# Altium PCB H7Screen.PcbDoc
Units mil, origin at the board's own origin, x right, y up, seen from the top; angles counter-clockwise.
Board outline 2734.03 x 1978.03 mil, 2 copper layers (Top Layer, Bottom Layer); 72 components, 112 nets, 362 pads, 91 vias.
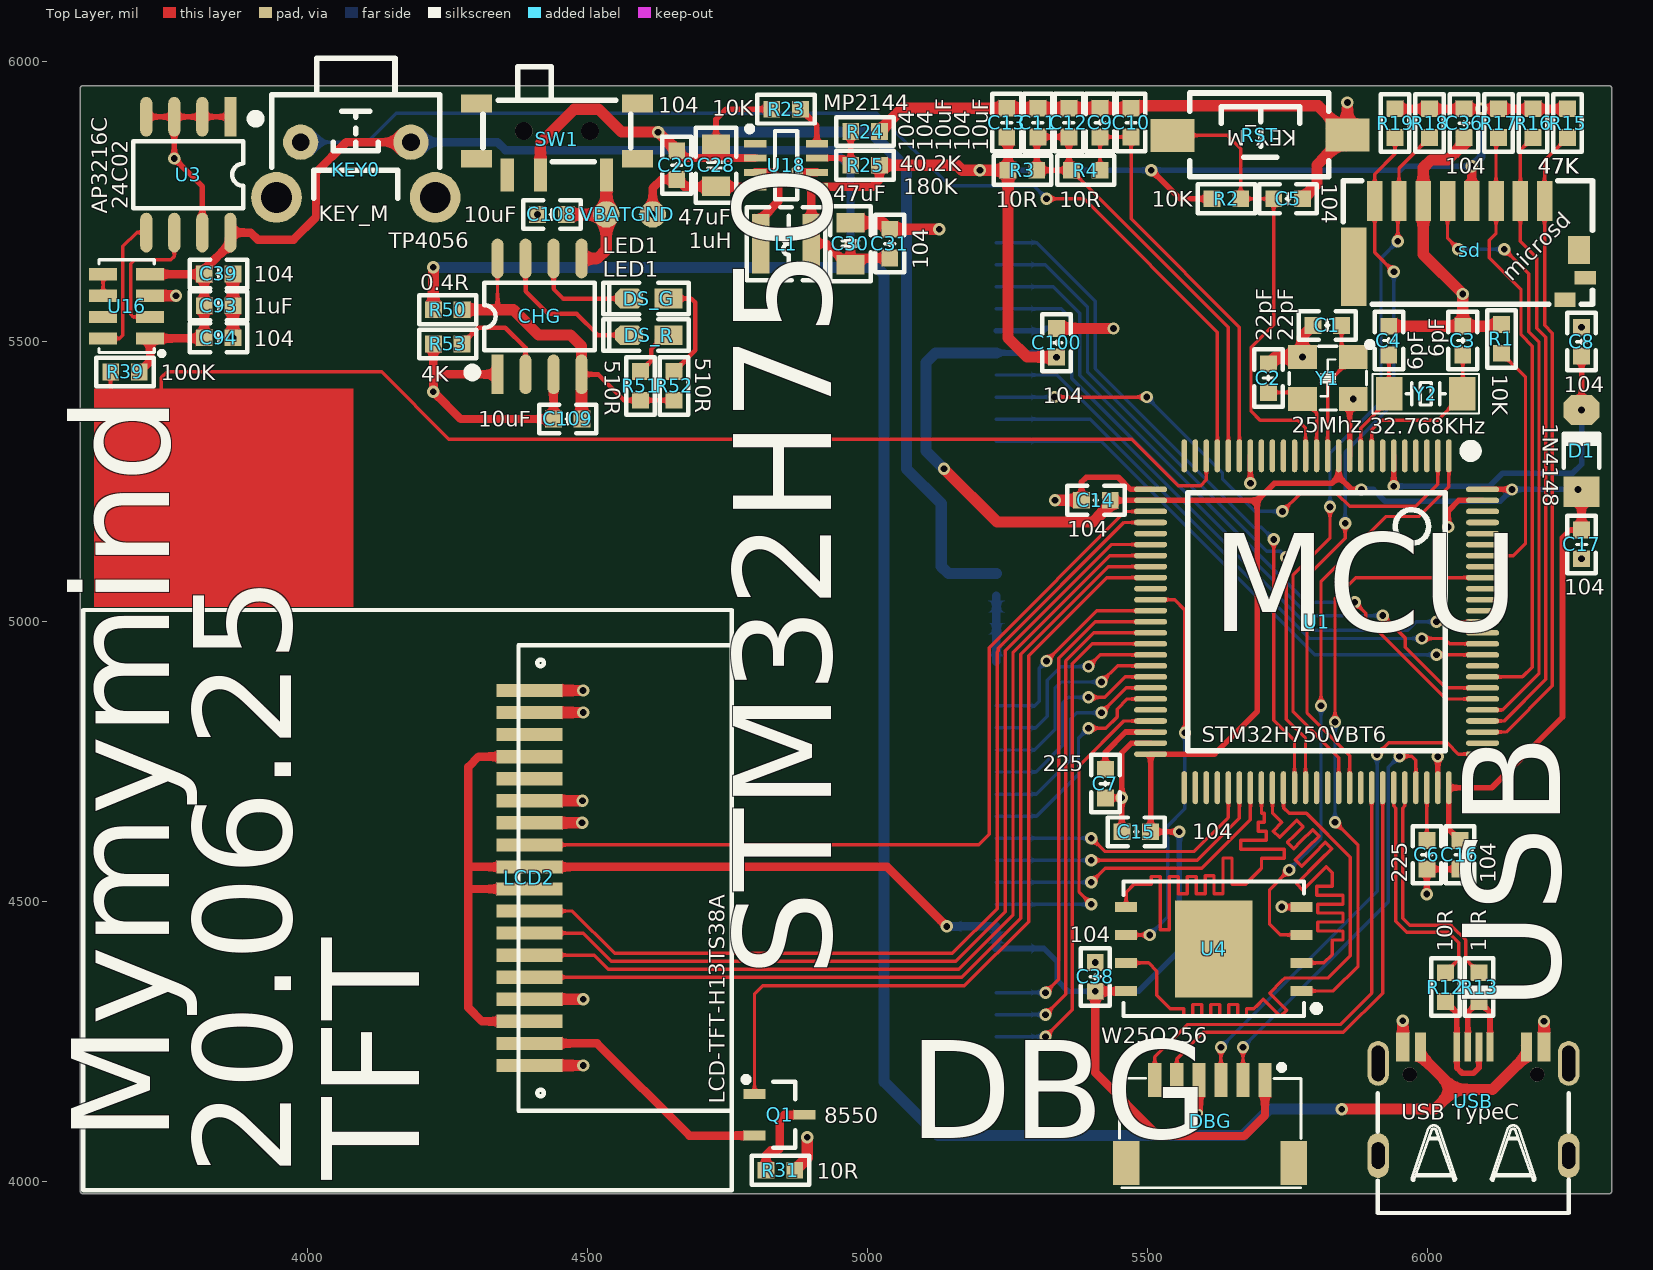
[diagram p0: Top Layer view]
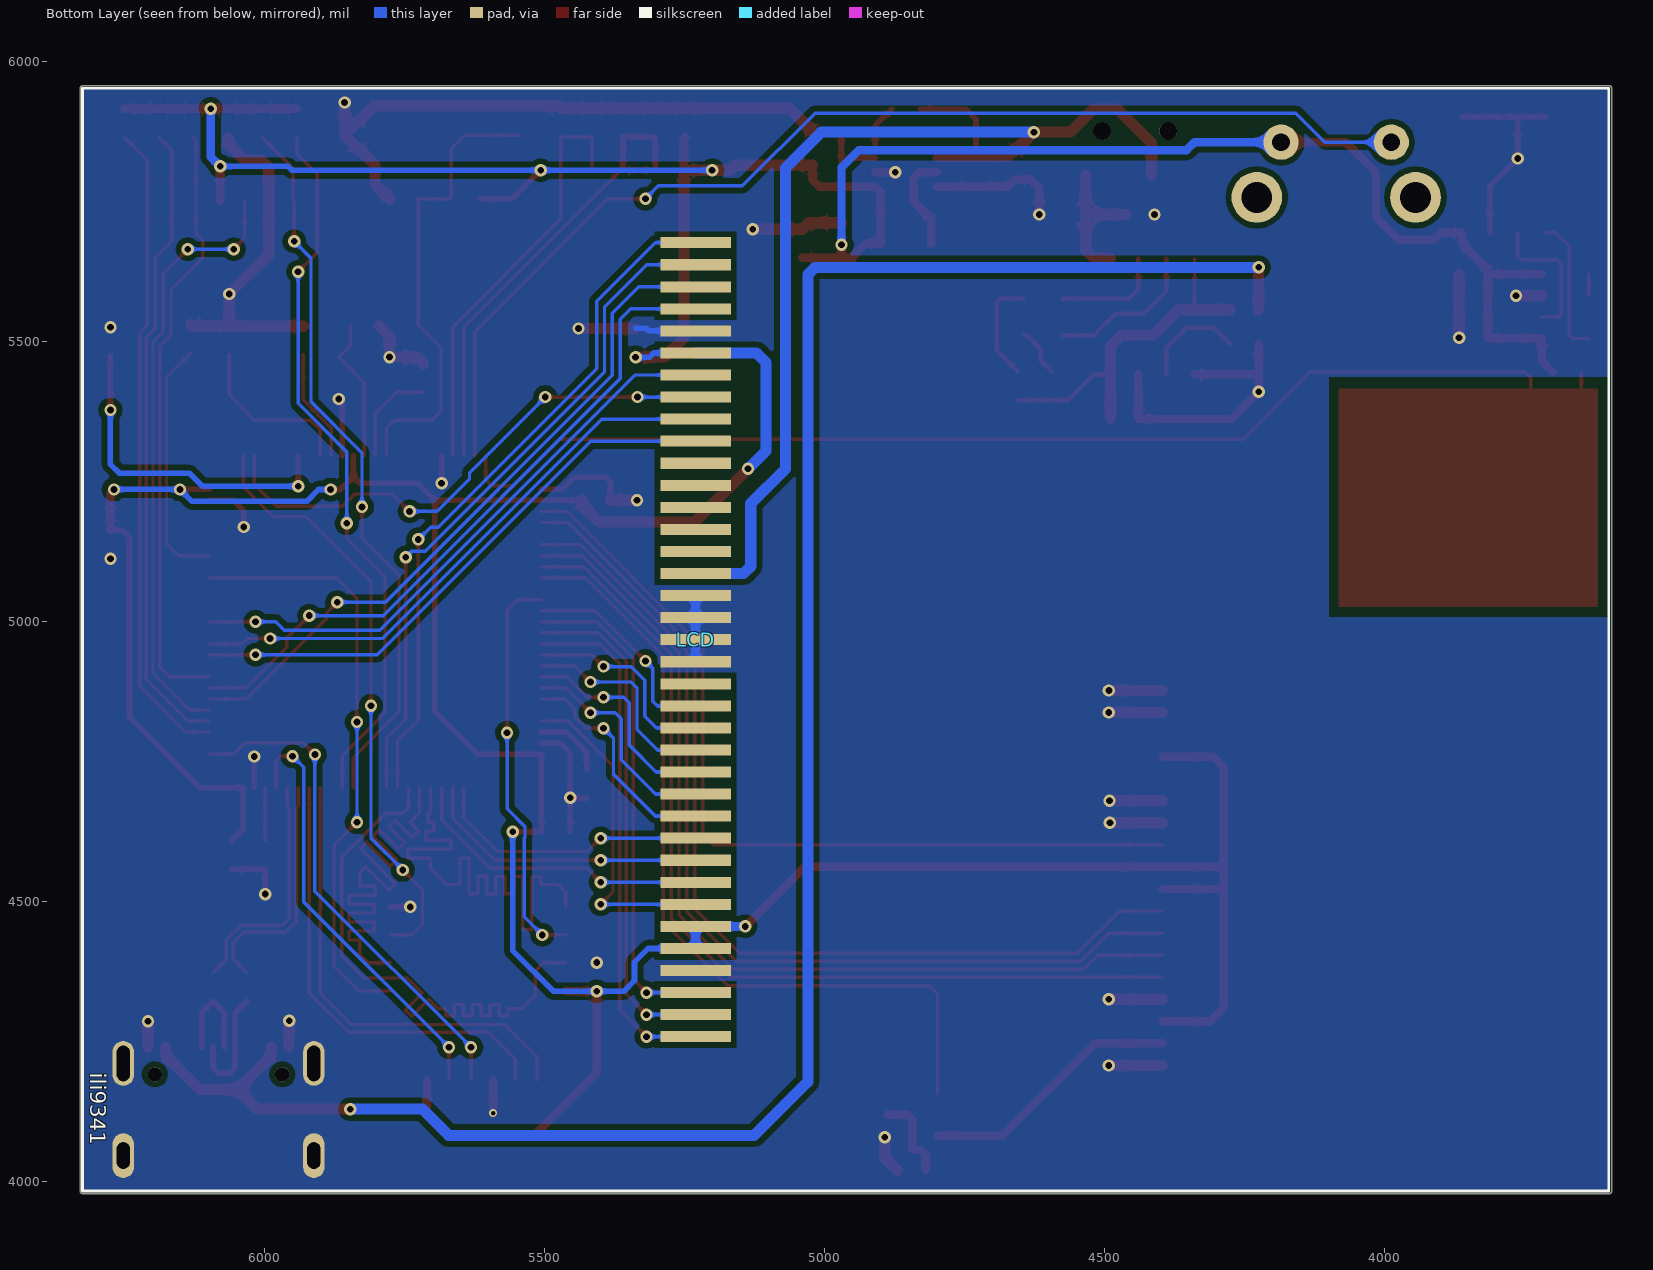
[diagram p1: Bottom Layer view, seen from below]
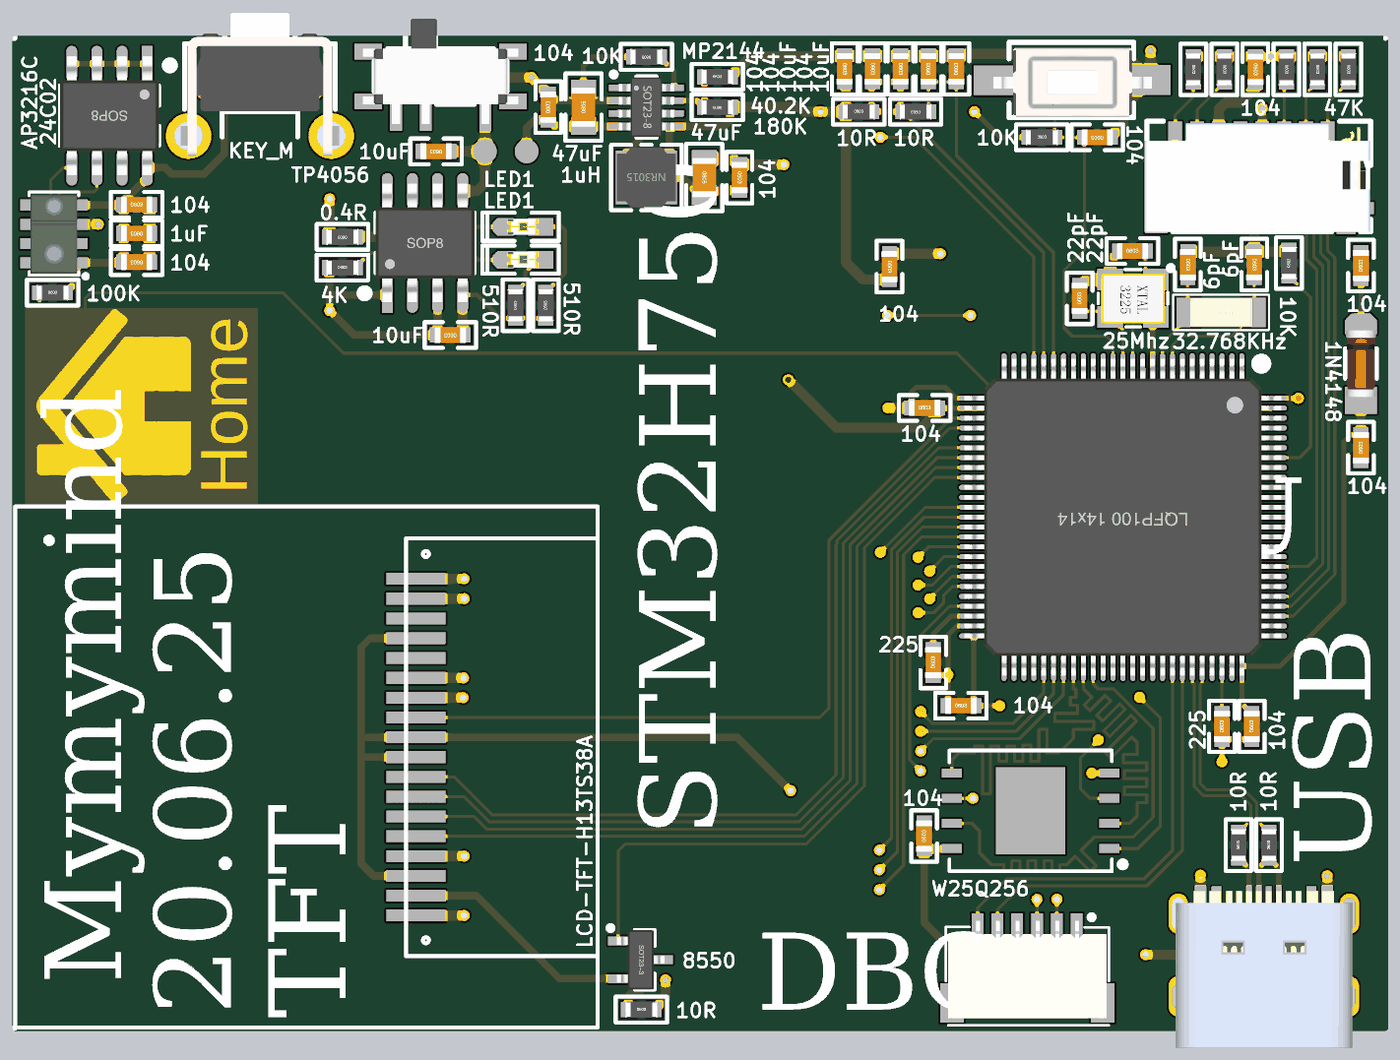
[diagram p2: 3D render of the assembled board from above, using the file's embedded part models]

## Layer stack, top to bottom
Top Solder: solder mask 0.4, Solder Resist, Dk 3.5
Top Layer: signal copper 1.4
Dielectric1: core 12.6, FR-4, Dk 4.8
Bottom Layer: signal copper 1.4
Bottom Solder: solder mask 0.4, Solder Resist, Dk 3.5

## Board outline
3600,3978.99 cw(c3600,3984) 3594.99,3984 3594.99,5952 cw(c3600,5952) 3600,5957.02 6324,5957.02 cw(c6324,5952) 6329.02,5952 6329.02,3984 cw(c6324,3984) 6324,3978.99

## Design rules (kind name [scope] priority, off if disabled: settings)
Clearance [All] p1: gap=6 except(10: Arc-Poly Track-Poly SMDPad-Poly THPad-Poly Via-Poly Fill-Poly Poly-Poly)
ComponentClearance [All] p1 off: gap=10 collisioncheckmode=3 verticalgap=10 showdistances=FALSE
DiffPairsRouting [All] p1: maxlimit=6 minlimit=6 mostfreqgap=6 toplayer_minwidth=6 toplayer_maxwidth=6 toplayer_prefwidth=6 bottomlayer_minwidth=6 bottomlayer_maxwidth=6 bottomlayer_prefwidth=6 maxuncoupledlength=500
FabricationTestPointUsage TestPointUsage [All] p1: valid=0 allowmultiple=FALSE
FabricationTestpoint Testpoint [(IsPad And (OnTopLayer Or OnBottomLayer))] p1: side=3 testpointundercomponent=TRUE minsize=40 maxsize=100 preferedsize=60 minholesize=0 maxholesize=40 preferedholesize=32 testpointgrid=1 allowsidetop=TRUE allowsidebottom=TRUE usegrid=TRUE gridtolerance=0.01
HoleToHoleClearance [All] p1: gap=6 allowstackedmicrovias=TRUE
MinimumSolderMaskSliver [All] p1: minsoldermaskwidth=0
PlaneConnect [All] p1: planeconnectstyle=Direct reliefexpansion=20 reliefentries=4 reliefconductorwidth=10 reliefairgap=10
PolygonConnect [All] p1: connectstyle=Direct reliefconductorwidth=10 reliefentries=4 polygonreliefangle="90 Angle" airgapwidth=10
RoomDefinition H7Screen [InComponentClass('H7Screen')] p1: confinementstyle=ConfineIn formatcopy=TRUE lockcomponents=FALSE outline 0,0 2000,0 2000,1000 0,1000
RoomDefinition CORE_PIN_DEF [InComponentClass('CORE_PIN_DEF')] p2: confinementstyle=ConfineIn formatcopy=TRUE lockcomponents=FALSE outline 0,0 2000,0 2000,1000 0,1000
RoomDefinition CORE_PIN_ABC [InComponentClass('CORE_PIN_ABC')] p3: confinementstyle=ConfineIn formatcopy=TRUE lockcomponents=FALSE outline 0,0 2000,0 2000,1000 0,1000
RoutingVias [All] p1: holewidth=8 width=14 viastyle="Through Hole" minholewidth=8 minwidth=14 maxholewidth=200 maxwidth=206
SilkToSilkClearance [All] p1: silktosilkclearance=0
SilkToSolderMaskClearance SilkscreenOverComponentPads [IsPad] p1: minsilkscreentomaskgap=0 clearancetoexposedcopper=TRUE
SolderMaskExpansion [All] p1: expansion=4
Width [All] p1: maxlimit=50 minlimit=6 preferedwidth=6 minimp=50.000000 maximp=50.000000 favimp=50.000000
21 further rules are at their usual default settings.

## Classes and differential pairs
net class "New Class": PD11 PD12 PD13 PE2
component class CORE_PIN_ABC: U1
component class H7Screen: C28 C29 C30 C31 C36 C38 C39 C93 C94 C100 C108 C109 CHG DBG DS_G DS_R GND KEY0 L1 LCD LCD2 Q1 R15 R16 R17 R18 R19 R23 R24 R25 R31 R38 R39 R50 R51 R52 R53 sd SW1 U3 U4 U16 U18 VBAT
component class CORE_PIN_DEF: C1 C2 C3 C4 C5 C6 C7 C8 C9 C10 C11 C12 C13 C14 C15 C16 C17 D1 R1 R2 R3 R4 R12 R13 RST USB Y1 Y2

## Components (designator, comment, footprint, x,y, rotation, side; value= is the part's Value field where it differs from the comment)
C1 "22pF" "C 0603_L" 5821,5529 r0 top
C2 "22pF" "C 0603_L" 5716,5435 r90 top
C3 "6pF" "C 0603_L" 6063,5502 r270 top
C4 "6pF" "C 0603_L" 5931,5502 r270 top
C5 "104" "C 0603_L" 5751,5755 r180 top
C6 "225" "C 0603_L" 5998.84,4584 r90 top
C7 "225" "C 0603_L" 5425,4711 r90 top
C8 "104" "C 0603_L" 6275,5500 r90 top
C9 "104" "C 0603_L" 5415.5,5891 r90 top
C10 "10uF" "C 0603_L" 5471,5891 r90 top
C11 "104" "C 0603_L" 5304.5,5890.99 r270 top
C12 "10uF" "C 0603_L" 5360,5890.99 r270 top
C13 "104" "C 0603_L" 5249,5890.99 r270 top
C14 "104" "C 0603_L" 5408,5217 r0 top
C15 "104" "C 0603_L" 5480,4625 r0 top
C16 "104" "C 0603_L" 6058,4584 r90 top
C17 "104" "C 0603_L" 6275,5138 r90 top
C28 "47uF" "C 0805_L" 4730,5815 r90 top
C29 "104" "C 0603_L" 4660,5815 r90 top
C30 "47uF" "C 0805_L" 4970,5675 r270 top
C31 "104" "C 0603_L" 5040,5675 r270 top
C36 "104" "C 0603_L" 6065.2,5890 r270 top
C38 "104" "C 0603_L" 5407,4366 r90 top
C39 "104" "C 0603_L" 3842,5621 r0 top
C93 "1uF" "C 0603_L" 3842,5564 r180 top
C94 "104" "C 0603_L" 3842,5507 r180 top
C100 "104" "C 0603_L" 5338,5498 r270 top
C108 "10uF" "C 0603_L" 4437,5727 r180 top
C109 "10uF" "C 0603_L" 4465.41,5362 r180 top
CHG "TP4056" SOP8_N 4415,5545 r90 top
D1 "1N4148" "MINI_MELF (LL34)" 6275,5305 r90 top
DBG "SH1.0" "SH1.0 S-W-6P" 5612,4101 r0 top
DS_G "LED1" "LED 0603G" 4610,5577.26 r180 top
DS_R "LED1" "LED 0603R" 4610,5512 r180 top
GND "TP7" TP-1.5#1 4627.7,5727 r180 top
KEY0 "KEY_M" "TSW DIP-3*6*5_V" 4087,5856 r180 top
L1 "1uH" NR3015 4855,5675 r180 top
LCD "ili9341" ILI9341 6325,4968 r180 bottom locked
LCD2 "LCD-TFT-H13TS38A" TFT-H13TS43B 4397,4208 r90 top
Q1 "8550" SOT23-3L 4843.71,4120 r270 top
R1 "10K" "R 0603_L" 6132,5505 r90 top
R2 "10K" "R 0603_L" 5641,5755 r0 top
R3 "10R" "R 0603_L" 5277,5806 r0 top
R4 "10R" "R 0603_L" 5390,5806 r180 top
R12 "10R" "R 0603_L" 6032,4348 r90 top
R13 "10R" "R 0603_L" 6092,4348 r90 top
R15 "47K" "R 0603_L" 6250,5890 r270 top
R16 "47K" "R 0603_L" 6188.4,5890 r270 top
R17 "47K" "R 0603_L" 6126.8,5890 r270 top
R18 "47K" "R 0603_L" 6003.6,5890 r270 top
R19 "47K" "R 0603_L" 5942,5890 r270 top
R23 "10K" "R 0603_L" 4855,5915 r180 top
R24 "40.2K" "R 0603_L" 4996,5875 r0 top
R25 "180K" "R 0603_L" 4996,5815 r180 top
R31 "10R" "R 0603_L" 4845,4021 r0 top
R39 "100K" "R 0603_L" 3675,5446 r0 top
R50 "0.4R" "R 0603_L" 4251,5557 r180 top
R51 "510R" "R 0603_L" 4595,5421 r90 top
R52 "510R" "R 0603_L" 4655,5421 r90 top
R53 "4K" "R 0603_L" 4251,5496 r0 top
RST "KEY_M" "TSW SMD-3*6*2.5" 5702,5869 r0 top
sd "microsd" microsd3 6065.48,5676 r180 top
SW1 "SWITCH" SWITCH 4446,5876 r180 top
U1 "STM32H750VBT6" "LQFP100 14x14_L" 5802,5000 r180 top locked
U3 "24C02" SOP8_N 3788,5798 r270 top
U4 "W25Q256" WSON8 5618.5,4416 r180 top
U16 "AP3216C" AP3216 3678,5563 r90 top
U18 "MP2144" SOT23-8L 4855,5815 r270 top
USB "USB TypeC" "USB Type-C" 6082,4144 r0 top
VBAT "TP6" TP-1.5#2 4534,5727 r180 top
Y1 "25Mhz" OSC32254Pmini 5822,5435 r180 top
Y2 "32.768KHz" "OSC 3215-2P" 5997,5407 r0 top

## Footprints (in the part's own frame and the unit in brackets; to place one, negate y for a bottom-side part, rotate by r counter-clockwise, add the part's x,y. Pads: shape width x height; smd on the part's side, far side on the other; paste and mask are expansions set on the pad)
AP3216 [mil]
  rect 22x50 smd: 1(-57.28,-42) 2(-19.09,-42) 3(19.09,-42) 4(57.28,-42) 5(57.28,42) 6(19.09,42) 7(-19.09,42) 8(-57.28,42)
  silkscreen extent -88,-66 83,50, body extent -78,-46 78,46, height 53
"C 0603_L" [mil] "无极性贴片电容"
  rect 30x30 smd: 1(-25.59,0) 2(25.59,0)
  silkscreen extent -51,-26 51,26, body extent -31,-16 31,16, height 32
"C 0805_L" [mil] "无极性贴片电容"
  rect 35x50 smd: 1(-37.4,0) 2(37.4,0)
  silkscreen extent -67,-36 67,36, body extent -39,-24 39,24, height 20
ILI9341 [mm] "ili9341_2.8"
  rect 3.2x0.5 smd: 1(27.8,18) 2(27.8,17) 3(27.8,16) 4(27.8,15) 5(27.8,14) 6(27.8,13) 7(27.8,12) 8(27.8,11) 9(27.8,10) 10(27.8,9) 11(27.8,8) 12(27.8,7) 13(27.8,6) 14(27.8,5) 15(27.8,4) 16(27.8,3) 17(27.8,2) 18(27.8,1) 19(27.8,0) 20(27.8,-1) 21(27.8,-2) 22(27.8,-3) 23(27.8,-4) 24(27.8,-5) 25(27.8,-6) 26(27.8,-7) 27(27.8,-8) 28(27.8,-9) 29(27.8,-10) 30(27.8,-11) 31(27.8,-12) 32(27.8,-13) 33(27.8,-14) 34(27.8,-15) 35(27.8,-16) 36(27.8,-17) 37(27.8,-18)
  silkscreen extent 0,-25 69.2,25, body extent 3.81,-21.46 64.56,21.46, height 4.16
"LED 0603G" [mil] "绿色0603LED"
  rect 50x35 smd: 1(-35,0.26)
  oct 50x35 smd: 2(35,0.26)
  silkscreen extent -71,-28 81,28, body extent -31,-16 32,16, height 18
"LED 0603R" [mil] "红色0603LED"
  rect 50x35 smd: 1(-35,0.26)
  oct 50x35 smd: 2(35,0.26)
  silkscreen extent -71,-28 81,28, body extent -31,-16 31,16, height 18
"LQFP100 14x14_L" [mm] "100脚，体宽14x14mm，脚距0.5mm"
  oval 0.25x1.5 smd: 1(-6,-7.525) 2(-5.5,-7.525) 3(-5,-7.525) 4(-4.5,-7.525) 5(-4,-7.525) 6(-3.5,-7.525) 7(-3,-7.525) 8(-2.5,-7.525) 9(-2,-7.525) 10(-1.5,-7.525) 11(-1,-7.525) 12(-0.5,-7.525) 13(0,-7.525) 14(0.5,-7.525) 15(1,-7.525) 16(1.5,-7.525) 17(2,-7.525) 18(2.5,-7.525) 19(3,-7.525) 20(3.5,-7.525) 21(4,-7.525) 22(4.5,-7.525) 23(5,-7.525) 24(5.5,-7.525) 25(6,-7.525) 51(6,7.525) 52(5.5,7.525) 53(5,7.525) 54(4.5,7.525) 55(4,7.525) 56(3.5,7.525) 57(3,7.525) 58(2.5,7.525) 59(2,7.525) 60(1.5,7.525) 61(1,7.525) 62(0.5,7.525) 63(0,7.525) 64(-0.5,7.525) 65(-1,7.525) 66(-1.5,7.525) 67(-2,7.525) 68(-2.5,7.525) 69(-3,7.525) 70(-3.5,7.525) 71(-4,7.525) 72(-4.5,7.525) 73(-5,7.525) 74(-5.5,7.525) 75(-6,7.525)
  oval 1.5x0.25 smd: 26(7.525,-6) 27(7.525,-5.5) 28(7.525,-5) 29(7.525,-4.5) 30(7.525,-4) 31(7.525,-3.5) 32(7.525,-3) 33(7.525,-2.5) 34(7.525,-2) 35(7.525,-1.5) 36(7.525,-1) 37(7.525,-0.5) 38(7.525,0) 39(7.525,0.5) 40(7.525,1) 41(7.525,1.5) 42(7.525,2) 43(7.525,2.5) 44(7.525,3) 45(7.525,3.5) 46(7.525,4) 47(7.525,4.5) 48(7.525,5) 49(7.525,5.5) 50(7.525,6) 76(-7.525,6) 77(-7.525,5.5) 78(-7.525,5) 79(-7.525,4.5) 80(-7.525,4) 81(-7.525,3.5) 82(-7.525,3) 83(-7.525,2.5) 84(-7.525,2) 85(-7.525,1.5) 86(-7.525,1) 87(-7.525,0.5) 88(-7.525,0) 89(-7.525,-0.5) 90(-7.525,-1) 91(-7.525,-1.5) 92(-7.525,-2) 93(-7.525,-2.5) 94(-7.525,-3) 95(-7.525,-3.5) 96(-7.525,-4) 97(-7.525,-4.5) 98(-7.525,-5) 99(-7.525,-5.5) 100(-7.525,-6)
  silkscreen extent -7.23,-8 5.84,5.84, body extent -8,-8 8,8, height 1.45
microsd3 [mm]
  rect 0.7x1.8 smd: 1(-3.645,-1.905) 2(-2.545,-1.905) 3(-1.445,-1.905) 4(-0.345,-1.905) 5(0.755,-1.905) 6(1.855,-1.905) 7(2.955,-1.905) 8(4.055,-1.905)
  rect 0.965x0.66 smd: 9(-4.572,2.565)
  rect 0.965x0.61 smd: 10(-5.486,1.575)
  rect 1.016x1.27 smd: 10(-5.207,0.305)
  rect 1.143x3.556 smd: 10(5.004,1.067)
  silkscreen extent -5.82,-2.82 5.49,2.77, body extent -5.79,-2.72 5.61,2.78, height 2.67
"MINI_MELF (LL34)" [mm] "1.5*3.4mm(直径，脚距）"
  rect 1.37x1.62 smd: 1(-1.855,0)
  oct 1.37x1.62 smd: 2(1.855,0)
  silkscreen extent -0.76,-0.8 0.78,0.8, body extent -1.7,-0.75 1.7,0.75, height 1.5
NR3015 [mm] "3.0mm*3.0mm*1.5mm(长*宽*高）"
  rect 0.8x2.7 smd: 1(-1.15,0) 2(1.15,0)
  silkscreen extent -1.78,-1.65 1.78,1.65, body extent -1.5,-1.5 1.5,1.5, height 1.6
OSC32254Pmini [mm]
  rect 1.3x1.1 smd: 1(-1.15,-0.95) 2(1.15,-0.95) 3(1.15,0.95) 4(-1.15,0.95)
  silkscreen extent -2.03,-1.65 1.75,1.45, body extent -1.6,-1.24 1.6,1.26, height 0.8
"OSC 3215-2P" [mm] "3.2*1.5*0.6mm(长宽高)"
  rect 1.2x1.5 smd: 1(-1.65,0) 2(1.65,0)
  silkscreen extent -2.41,-0.89 2.41,0.89, body extent -1.6,-0.75 1.6,0.75, height 0.61
"R 0603_L" [mil] "1/10W贴片电阻"
  rect 30x30 smd: 1(-25.59,0) 2(25.59,0)
  silkscreen extent -51,-26 51,26, body extent -31,-16 31,16, height 16
"SH1.0 S-W-6P" [mm]
  rect 1.2x2 smd: 0(-3.8,-1.7) 0(3.8,-1.7)
  rect 0.6x1.55 smd: 1(2.489,2.057) 2(1.489,2.057) 3(0.489,2.057) 4(-0.511,2.057) 5(-1.511,2.057) 6(-2.511,2.057)
  silkscreen extent -4.11,-2.83 4.11,2.76, body extent -3.99,-2.48 4.01,2.47, height 2.9
SOP8_N [mm] "5*6*1.8mm（长宽高）"
  rect 1.8x0.55 smd: 1(-2.625,1.905)
  oval 1.8x0.55 smd: 2(-2.625,0.635) 3(-2.625,-0.635) 4(-2.625,-1.905) 5(2.625,-1.905) 6(2.625,-0.635) 7(2.625,0.635) 8(2.625,1.905)
  silkscreen extent -2.69,-2.5 1.52,3.2, body extent -3,-2.5 3,2.5, height 1.9
SOT23-3L [mm] "3x1.3x1mm(长宽高)"
  rect 0.45x1 smd: 1(-0.95,-1.143) 2(0.95,-1.143) 3(0,1.125)
  silkscreen extent -1.72,-1.65 1.5,0.7, body extent -1.5,-1.2 1.5,1.2, height 1.05
SOT23-8L [mm] "3x1.6x1.1mm(长宽高)"
  rect 0.325x1 smd: 1(-0.975,-1.397) 2(-0.325,-1.397) 3(0.325,-1.397) 4(0.975,-1.397) 5(0.975,1.397) 6(0.325,1.397) 7(-0.325,1.397) 8(-0.975,1.397)
  silkscreen extent -1.77,-1.78 1.55,0.51, body extent -1.5,-1.4 1.5,1.4, height 1.15
SWITCH [mm]
  rect 0.6x1.5 smd: 1(-2.25,1.996) 2(0.75,1.996) 3(2.25,1.996)
  rect 1.4x0.8 smd: 4(-3.65,1.25) 5(-3.65,-1.25) 6(3.65,1.25) 7(3.65,-1.25)
  round 0.8 hole 0.8: " "(-1.5,0) " "(1.5,0)
  silkscreen extent -3.35,-2.92 3.35,1.4, body extent -3.92,-2.9 3.92,2.4, height 1.5
TFT-H13TS43B [mm]
  rect 0.6x3 smd: 1(0,0) 2(1,0) 3(2,0) 4(3,0) 5(4,0) 6(5,0) 7(6,0) 8(7,0) 9(8,0) 10(9,0) 11(10,0) 12(11,0) 13(12,0) 14(13,0) 15(14,0) 16(15,0) 17(16,0) 18(17,0)
  silkscreen extent -5.65,-9.17 20.65,20.23, body extent -5.67,-9.18 20.68,20.2, height 2.1
TP-1.5#1 [mm]
  round 1.2 smd: 1(0.272,0)
TP-1.5#2 [mm]
  round 1.2 smd: 1(0,0)
"TSW DIP-3*6*5_V" [mm] "侧按轻触开关 3*6*5mm"
  round 2.3 hole 1.4: 0(-3.6,2.5) 0(3.6,2.5)
  round 1.6 hole 0.8: 1(-2.5,0) 2(2.5,0)
  silkscreen extent -3.81,-3.81 3.81,2.54, body extent -4,-3.75 4,3.5, height 4.45
"TSW SMD-3*6*2.5" [mm] "3*6*2.5mm"
  rect 2x1.5 smd: 1(-3.996,-0.02) 2(3.937,0)
  silkscreen extent -3.21,-1.9 3.09,1.9, body extent -4,-1.88 4,1.62, height 2.59
"USB Type-C" [mm] "USB Type-C 12P/16P"
  rect 0.6x1.3 smd mask+0.064: 1(-3.2,2.462) 12(3.2,2.462)
  rect 0.508x1.3 smd mask+0.064: 2(-2.4,2.462) 11(2.4,2.462)
  rect 0.3x1.3 smd mask+0.064: 5(-0.75,2.462) 6(-0.25,2.463) 7(0.25,2.463) 8(0.75,2.462)
  oval 0.965x2.032 hole 0.6 slot 1.6 at 90 deg: SH1(-4.32,1.718) SH3(4.32,1.717)
  oval 0.965x2.032 hole 0.6 slot 1.2 at 90 deg: SH2(-4.32,-2.462) SH4(4.32,-2.462)
  round 0.65 hole 0.65 unplated mask+0: ""(-2.89,1.218) ""(2.89,1.218)
  silkscreen extent -4.34,-5.07 4.32,0.37, body extent -4.47,-5.04 4.47,2.86, height 3.2
WSON8 [mm]
  rect 1x0.45 smd: 1(-3.975,1.905) 2(-3.975,0.635) 3(-3.975,-0.635) 4(-3.975,-1.905) 5(3.975,-1.905) 6(3.975,-0.635) 7(3.975,0.635) 8(3.975,1.905)
  rect 3.5x4.4 smd: 9(0,0)
  silkscreen extent -4.8,-3.05 4.1,3.05

## Part data
C1 C2 C3 C4 C5 C6 C7 C8 C9 C10 C11 C12 C13 C14 C15 C16 C17 C28 C29 C30 C31 C36 C38 C39 C93 C94 C100: library part C
C108 C109: library part CAP
CHG: library part Component_1
D1: library part D
DBG: library part "Header 6", "6P接插件"
DS_G DS_R: library part LED2, "Typical RED, GREEN, YELLOW, AMBER GaAs LED"
GND VBAT: library part TEST-POINT, "测试点"
L1: library part L
LCD2: "LCD,TFT,1.3'240*240,禹龙"
Q1: library part 8550PNP
R1 R2 R3 R4 R12 R13 R15 R16 R17 R18 R19 R23 R24 R25 R31 R39 R50 R51 R52 R53: library part R
U1: library part STM32H750VB
U3: library part 24C256
U4: library part W25Q128, "W25Q128"
U16: "ALS+PS Sensor"
USB: library part "USB Type-C", "12P TypeC 母座"
Y1: library part XTAL_3225, "3225贴片无源晶振"
Y2: library part XTAL, "普通晶振"

## Via types
v1: diameter 22, hole 12, Top Layer to Bottom Layer, 90 vias
v2: diameter 14, hole 8, Top Layer to Bottom Layer, 1 vias

## Nets (pads, with @x,y where several pads share a name; then routed paths per layer and width w, separated by ;. In a path a pad name is that pad's centre, name@x,y a point inside that pad or via, vN(x,y) a via of type N, cw(c..) or ccw(c..) an arc to the next point about the centre after c; other vN are vias at no path point)
AP_INT: U16.7
BOOT0: R1.1 U1.94 | length 443
  Top Layer w6: U1.94 6153.11,5118.11 6175,5140 6175,5436.41 R1.1
CVBAT: C8.1 D1.2 U1.6 | length 599.3
  Top Layer w10: v1(5939.79,5241.79) U1.6 ; v1(6275,5378.03) C8.1
  Bottom Layer w10: v1(5939.79,5241.79) 6110.79,5241.79 6134,5265 6259,5265 6275,5281 v1(6275,5378.03)
FMC_A19: LCD.8 U1.2 | length 968.1
  Top Layer w6: v1(5334.07,5401.07) v1(5499.07,5401.07) ; v1(5741,5197) 5772,5228 5839,5228 5861,5206 5979,5206 6018.53,5245.53 U1.2
  Bottom Layer w6: LCD.8 v1(5334.07,5401.07) ; v1(5499.07,5401.07) 5634,5266.14 5634,5255 5692,5197 v1(5741,5197)
FMC_D0: LCD.1 U1.61 | length 1243.4
  Top Layer w6: v1(5725.62,5147) 5725.62,4824.38 5762.62,4787.38 U1.61
  Bottom Layer w6: LCD.1 5302.34,5676.66 5407,5572 5407,5452 5690,5169 5703.62,5169 v1(5725.62,5147)
FMC_D1: LCD.2 U1.62 | length 1227.1
  Top Layer w6: v1(5748,5115) 5748,4826 5782.31,4791.69 U1.62
  Bottom Layer w6: LCD.2 5317.71,5637.29 5393,5562 5393,5446.2 5713.2,5126 5737,5126 v1(5748,5115)
FMC_D2: LCD.3 U1.81 | length 1243.4
  Top Layer w6: v1(5870,5035) 5890,5015 5890,5005 6032.8,4862.2 U1.81
  Bottom Layer w6: LCD.3 5332.08,5597.92 5379,5551 5379,5440 5784,5035 v1(5870,5035)
FMC_D3: LCD.4 U1.82 | length 1219.5
  Top Layer w6: v1(5920,5011) 5960,4971 5960,4954.8 6032.91,4881.89 U1.82
  Bottom Layer w6: LCD.4 5346.45,5558.55 5365,5540 5365,5434.2 5788.2,5011 v1(5920,5011)
FMC_D4: LCD.22 U1.37 | length 380.1
  Top Layer w6: v1(5320,4930) 5409.69,5019.69 U1.37
  Bottom Layer w6: LCD.22 5298.89,4849.89 5307,4858 5307,4917 v1(5320,4930)
FMC_D5: LCD.35 U1.38 | length 885.1
  Top Layer w6: v1(5318,4338) 5342,4362 5342,4935.03 5406.97,5000 U1.38
  Bottom Layer w6: LCD.35 5317.92,4338.08 v1(5318,4338)
FMC_D6: LCD.36 U1.39 | length 906.3
  Top Layer w6: v1(5318,4298.71) 5354,4334.71 5354,4930.06 5404.26,4980.31 U1.39
  Bottom Layer w6: LCD.36 v1(5318,4298.71)
FMC_D7: LCD.37 U1.40 | length 927.6
  Top Layer w6: v1(5318,4259.34) 5366,4307.34 5366,4925.09 5401.54,4960.63 U1.40
  Bottom Layer w6: LCD.37 v1(5318,4259.34)
FMC_D8: LCD.23 U1.41 | length 367.3
  Top Layer w6: v1(5395,4920) 5415.94,4940.94 U1.41
  Bottom Layer w6: LCD.23 5300.52,4810.52 5321,4831 5321,4896 5345,4920 v1(5395,4920)
FMC_D9: LCD.24 U1.42 | length 380.7
  Top Layer w6: v1(5418,4892.5) 5446.76,4921.26 U1.42
  Bottom Layer w6: LCD.24 5299.15,4771.15 5335,4807 5335,4881 5346.5,4892.5 v1(5418,4892.5)
FMC_D10: LCD.25 U1.43 | length 389.5
  Top Layer w6: v1(5395,4865) 5424,4865 5460.57,4901.57 U1.43
  Bottom Layer w6: LCD.25 5300.78,4731.78 5349,4780 5349,4855 5359,4865 v1(5395,4865)
FMC_D11: LCD.26 U1.44 | length 396.5
  Top Layer w6: v1(5418,4837.5) 5462.39,4881.89 U1.44
  Bottom Layer w6: LCD.26 5301.41,4692.41 5363,4754 5363,4827 5373.5,4837.5 v1(5418,4837.5)
FMC_D12: LCD.27 U1.45 | length 407.6
  Top Layer w6: v1(5395,4810) 5426,4810 5446,4830 5446,4844 5464.2,4862.2 U1.45
  Bottom Layer w6: LCD.27 5302.04,4653.04 5377,4728 5377,4792 v1(5395,4810)
FMC_D13: LCD.28 U1.55 | length 502.1
  Top Layer w6: v1(5400,4613.67) 5423.67,4590 5584,4590 5644.51,4650.51 U1.55
  Bottom Layer w6: LCD.28 v1(5400,4613.67)
FMC_D14: LCD.29 U1.56 | length 519.3
  Top Layer w6: v1(5400,4574.3) 5589.3,4574.3 5664.2,4649.2 U1.56
  Bottom Layer w6: LCD.29 v1(5400,4574.3)
FMC_D15: LCD.30 U1.57 | length 556.6
  Top Layer w6: v1(5400,4534.93) 5425.07,4560 5597,4560 5683.88,4646.88 U1.57
  Bottom Layer w6: LCD.30 v1(5400,4534.93)
FMC_NE1: LCD.7 U1.88 | length 1062.6
  Top Layer w6: v1(6016,5000) U1.88
  Bottom Layer w6: LCD.7 5338.96,5440.44 5794.4,4985 5965,4985 5980,5000 v1(6016,5000)
FMC_NOE: LCD.10 U1.85 | length 1025.7
  Top Layer w6: v1(6016,4940.94) U1.85
  Bottom Layer w6: LCD.10 5417.48,5322.33 5798.86,4940.94 v1(6016,4940.94)
FMC_NWE: LCD.9 U1.86 | length 1033.9
  Top Layer w6: v1(5990,4970) 6030,4970 6039.37,4960.63 U1.86
  Bottom Layer w6: LCD.9 5397.9,5361.7 5789.6,4970 v1(5990,4970)
GND: C1.1 C2.2 C3.1 C4.1 C5.1 C6.1 C7.1 C8.2 C9.2 C10.2 C11.1 C12.1 C13.1 C14.1 C15.1 C16.1 C17.1 C28.1 C29.1 C30.1 C31.1 C36.2 C38.2 C39.2 C93.1 C94.1 C100.1 C108.2 C109.2 CHG.1 CHG.3 DBG.4 GND.1 LCD2.1 LCD2.4 LCD2.12 LCD2.13 LCD2.17 LCD2.18 LCD.5 LCD.17 LCD.18 LCD.19 LCD.20 LCD.34 R1.2 R24.2 R31.2 R53.1 RST.2 sd.6 U1.10 U1.19 U1.26 U1.49 U1.74 U1.99 U3.1 U3.2 U3.3 U3.4 U3.7 U4.4 U16.3 U18.4 U18.6 USB.1 USB.12 USB.SH1 USB.SH2 USB.SH3 USB.SH4 Y1.2 Y1.4 | length 5332.6
  Top Layer w10: U3.4 U3.3 ; U3.7 3813,5777 v1(3763,5827) U3.3 ; U3.1 U3.2 U3.3 ; C100.1@5337.59,5524 C100.1 ; C14.1 5382.41,5249.41 5391,5258 5448,5258 5469.78,5236.22 U1.26 ; C7.1 5453.81,4685.41 v1(5454.41,4686) ; C15.1 v1(5454.41,4686) ; U1.49 5471.46,4783.46 5454.41,4766.41 v1(5454.41,4686) ; v1(5683.88,5247.12) U1.19 ; v1(5740,4491) U4.4 ; U1.10 5861.05,5391.37 v1(5867.28,5397.6) ; v1(5998.84,4513.84) C6.1 C16.1 ; U1.74 v1(6018.53,4759.47) ; v1(6037,5169) 6037,5198 6055.54,5216.54 U1.99
  Top Layer w15: R53.1 4225.41,5443 ; CHG.1 4226.75,5441.65 4225.41,5443 ; CHG.3 4440,5362.18 C109.2 4274,5362 v1(4225.41,5410.59) 4225.41,5443 ; v1(4617,5727) 4617,5774 4632.41,5789.41 C29.1 4672.8,5776.61 U18.4 ; v1(4874.2,5802.2) U18.6 ; v2(5591.89,4122.89) DBG.4
  Top Layer w20: U16.3 v1(3765.91,5582.09) ; v1(3867.59,5507) C93.1 C39.2 ; LCD2.1 v1(4493,4208) ; LCD2.4 v1(4492.89,4326.11) ; LCD2.12 v1(4490.93,4641.07) ; LCD2.13 v1(4491.56,4680.44) ; LCD2.17 v1(4493.08,4837.92) ; LCD2.18 v1(4492.71,4877.29) ; R31.2 4893,4043.41 v1(4893,4080) ; C30.1 5028.19,5712.4 C31.1 v1(5128.41,5700.59) ; R24.2 5063.18,5916.59 C13.1 C12.1 C9.2 C10.2 5475.42,5921 5805,5921 RST.2 ; v1(5335,5217) C14.1 ; C100.1 v1(5439.41,5523.59) ; C2.2 5727.82,5472.4 v1(5776.72,5472.4) 5776.72,5510.31 C1.1 ; C5.1 5803,5781.41 5803,5815 RST.2 ; v1(5857,5927) RST.2 ; C4.1 C3.1 ; USB.1 v1(5956.02,4288.02) ; C36.2 6065.2,5853.2 6036,5824 6006,5824 5992.46,5810.46 sd.6 5992.46,5655.54 v1(6063,5585) C3.1 ; R1.2 6129.01,5527.59 C3.1 ; USB.12 v1(6207.98,4287.02)
  Bottom Layer w10: LCD.5 5314.18,5519.18 5319,5524 5337.59,5524
  Bottom Layer w15: LCD.20 LCD.19 LCD.18 LCD.17
  other v1: 5407,4391.59 6275,5112.41 6275,5525.59 4411.41,5727
IIC_SCL: U3.6 U16.2 | length 253.1
  Top Layer w6: U16.2 3690.09,5543.91 3685,5549 3685,5639 3692,5646 3757,5646 3763,5652 U3.6
IIC_SDA: U3.5 U16.8 | length 248.4
  Top Layer w6: U16.8 3665.72,5505.72 3671,5511 3671,5670 3695.65,5694.65 U3.5
JTCK: DBG.3 U1.76 | length 901.8
  Top Layer w6: DBG.3 v1(5631.26,4240.26) ; v1(5910,4763) 5931,4784 6035,4784 6055.22,4763.78 U1.76
  Bottom Layer w6: v1(5631.26,4240.26) 5910,4519 v1(5910,4763)
JTMS: DBG.2 U1.72 | length 774.9
  Top Layer w6: DBG.2 v1(5670.63,4240.37) ; v1(5950,4760) 5972,4760 5979.16,4752.84 U1.72
  Bottom Layer w6: v1(5670.63,4240.37) 5930,4499.74 5930,4740 v1(5950,4760)
LCD_BL: Q1.1 U1.34 | length 1471
  Top Layer w6: Q1.1 4798.71,4335.71 4813,4350 5173.2,4350 5288,4464.8 5288,4939.15 5427.59,5078.74 U1.34
LCD_CS: LCD2.11 U1.28 | length 1550.3
  Top Layer w6: LCD2.11 5198.7,4601.7 5218,4621 5218,4954 5460.85,5196.85 U1.28
LCD_RESET: LCD2.5 U1.33 | length 1688.5
  Top Layer w6: LCD2.5 5168.88,4365.48 5274,4470.6 5274,4942.12 5430.31,5098.43 U1.33
LCD_SCK: LCD2.8 U1.29 | length 1729.9
  Top Layer w6: LCD2.8 4473.41,4483.59 4549,4408 5152,4408 5232,4488 5232,4946 5234,4948 5234,4953.03 5458.14,5177.17 U1.29
LCD_SDA: LCD2.7 U1.31 | length 1710.5
  Top Layer w6: LCD2.7 4492.98,4444.22 4543.2,4394 5157.8,4394 5246,4482.2 5246,4948.06 5435.74,5137.8 U1.31
LCD_WR: LCD2.6 U1.32 | length 1699.3
  Top Layer w6: LCD2.6 4512.55,4404.85 4537.4,4380 5163.6,4380 5260,4476.4 5260,4945.09 5433.02,5118.11 U1.32
NetC109_1: C109.1 CHG.4 CHG.8 R50.1 R51.1 R52.1 | length 646.2
  Top Layer w6: 4340,5557 CHG.8
  Top Layer w8: C109.1@4490,5363 C109.1 ; CHG.4 4519.35,5441.65 4565.59,5395.41 R52.1
  Top Layer w20: R50.1 4340,5557 4368,5557 4413,5512 4470,5512 4490,5492 CHG.4 C109.1@4490,5363
NetCHG_2: CHG.2 R53.2 | length 187.7
  Top Layer w8: R53.2 4305.59,5525 4354,5525 4390,5489 CHG.2
NetCHG_6: CHG.6 DS_G.2 | length 196.4
  Top Layer w8: CHG.6 4440,5594 4457,5577 DS_G.2
NetCHG_7: CHG.7 DS_R.2 | length 275.8
  Top Layer w8: CHG.7 4390,5590 4430,5550 4481,5550 4519.26,5511.74 DS_R.2
NetDS_G_1: DS_G.1 R52.2 | length 190.1
  Top Layer w8: DS_G.1 4686,5577 4693,5570 4693,5484.58 R52.2
NetDS_R_1: DS_R.1 R51.2 | length 88.9
  Top Layer w8: R51.2 4614,5465.58 4614,5486 4639.74,5511.74 DS_R.1
NetL1_2: L1.2 U18.3 | length 175.8
  Top Layer w15: U18.3 4831.8,5802.2 4841,5793 4841,5750 4809.72,5718.72 L1.2
NetLCD2_2: LCD2.2 Q1.2 | length 470
  Top Layer w15: LCD2.2 4517.63,4247.37 4682.4,4082.6 Q1.2
NetQ1_3: Q1.3 R31.1 | length 156.1
  Top Layer w15: R31.1 4819.41,4048.41 4828,4057 4841,4057 4844,4060 4844,4112 4852,4120 Q1.3
NetR23_1: R23.1 U18.8 | length 73.8
  Top Layer w10: R23.1 4910,5885.6 U18.8
NetR24_1: R24.1 R25.2 U18.7 | length 125.7
  Top Layer w10: U18.7 4957.62,5827.8 R25.2 R24.1
NetU16_5: U16.5 U16.6 | length 38.2
  Top Layer w6: U16.6 U16.5
PA0: KEY0.2 U1.22 | length 2040.6
  Top Layer w6: v1(5320,5755) 5387,5755 5624.83,5517.17 U1.22
  Bottom Layer w6: KEY0.2 4107,5856 4159,5908 5017,5908 5147,5778 5297,5778 v1(5320,5755)
PA1: R39.1 U1.23 | length 2067.1
  Top Layer w6: 3649.41,5401.59 R39.1 ; 3740,5414 3740,5436 3750,5446 4133,5446 4253,5326 5472,5326 5555,5243 5595,5243 5605.14,5253.14 U1.23
PA2: U1.24
PA3: U1.25
PA6: U1.30
PA8: U1.67
PA9: DBG.6 U1.68 | length 842.2
  Top Layer w6: DBG.6 5513.15,4223.15 5571,4281 5844.2,4281 5900.42,4337.22 U1.68
PA10: DBG.5 U1.69 | length 820.4
  Top Layer w6: DBG.5 5552.52,4219.52 5600,4267 5850,4267 5920.1,4337.1 U1.69
PA11: R12.2 U1.70 | length 431.6
  Top Layer w6: U1.70 5939.79,4671.21 5943.63,4667.37 5943.63,4465.37 5963,4446 6037,4446 6056,4427 6056,4397.59 R12.2
PA12: R13.2 U1.71 | length 431.6
  Top Layer w6: U1.71 5959.47,4671.21 5955.63,4667.37 5955.63,4470.34 5967.97,4458 6041.97,4458 6045.49,4454.49 6068,4431.97 6068,4397.59 R13.2
PA15: U1.77
PB1: U1.35
PB2: U1.36 U4.6 | length 718.3
  Top Layer w6: U4.6 v1(5504,4441) ; U1.36 5548.63,5039.37 5567,5021 v1(5567,4802)
  Bottom Layer w6: v1(5504,4441) 5536.6,4473.6 5536.6,4614.28 5535,4615.88 5535,4634.11 5567,4666.11 v1(5567,4802)
PB3: U1.89
PB4: U1.90
PB5: U1.91
PB6: U1.92 U4.1 | length 1071.7
  Top Layer w6: U4.1 5832,4341 5876,4385 5876,4601 v1(5835,4642) ; v1(5835,4821) 5835,5042 5871.74,5078.74 U1.92
  Bottom Layer w6: v1(5835,4642) v1(5835,4821)
PB7: U1.93
PB8: U1.95
PB9: U1.96
PB10: U1.46
PB11: LCD.31 U1.47 | length 586.8
  Top Layer w6: v1(5400,4495.56) 5378,4517.56 5378,4743 5457.83,4822.83 U1.47
  Bottom Layer w6: LCD.31 v1(5400,4495.56)
PB12: U1.51
PB13: U1.52
PB14: U1.53
PB15: U1.54
PC0: U1.15
PC1: U1.16
PC2: U1.17
PC3: U1.18
PC6: U1.63
PC7: U1.64
PC8: R18.2 sd.7 U1.65 | length 1295.3
  Top Layer w6: v1(5826,5205) 5826,5150 5760,5084 5760,4839 5841.36,4757.64 U1.65 ; v1(5947,5679) 5947,5748.84 sd.7 5949.16,5809.97 R18.2
  Bottom Layer w6: v1(5826,5205) 5826,5302 5917,5393 5917,5649 v1(5947,5679)
PC9: R19.2 sd.8 U1.66 | length 1285.5
  Top Layer w6: v1(5853,5176) 5853,5149 5785,5081 5785,4837 5861.05,4760.95 U1.66 ; v1(5940,5625) 5905.85,5659.15 sd.8 5905.85,5798.85 5942,5835 R19.2
  Bottom Layer w6: v1(5853,5176) 5853,5303 5940,5390 v1(5940,5625)
PC10: R15.2 sd.1 U1.78 | length 1160.3
  Top Layer w6: U1.78 6140.15,4803.15 6223,4886 6223,5515.4 6209,5529.4 sd.1 6209,5823.42 R15.2
PC11: R16.2 sd.2 U1.79 | length 1139.1
  Top Layer w6: U1.79 6136.83,4822.83 6211,4897 6211,5507.6 6195,5523.6 6195,5650 6165.69,5679.31 sd.2 6165.69,5841.71 R16.2
PC12: sd.5 U1.80 | length 1087.1
  Top Layer w6: sd.5 6035.77,5684.23 v1(6055,5665) ; U1.80 6134.52,4842.52 6199,4907 6199,5499.8 6181,5517.8 6181,5621 v1(6137,5665)
  Bottom Layer w6: v1(6055,5665) v1(6137,5665)
PC13: U1.7
PC14: C3.2 U1.8 Y2.2 | length 306.1
  Top Layer w6: U1.8 5900.42,5342.42 5918,5360 6018,5360 6061.96,5403.96 Y2.2 6063,5408.04 C3.2
PC15: C4.2 U1.9 Y2.1 | length 201
  Top Layer w6: U1.9 5880.73,5345.73 5931,5396 C4.2
PD2: R17.2 sd.3 U1.83 | length 1080.2
  Top Layer w6: U1.83 6169.57,4901.57 6187,4919 6187,5492 6167,5512 6167,5593 6110,5650 6110,5681 6122.39,5693.39 sd.3 6122.39,5860 R17.2
PD3: U1.84
PD6: U1.87
PD11: U1.58 U4.5 | length 1096.3
  Top Layer w6: U4.5 5462,4517 5476,4531 5507,4531 5507,4545.21 5523,4545.21 5523,4531 5523,4450.03 5539,4450.03 5539,4531 5539,4545.21 5555,4545.21 5555,4531 5555,4514.4 5571,4514.4 5571,4531 5571,4545.21 5587,4545.21 5587,4531 5587,4514.4 5603,4514.4 5603,4531 5603,4546.82 5619,4546.82 5619,4531 5619,4514.4 5635,4514.4 5635,4531 5635,4578.24 5651,4578.24 5651,4531 5667,4531 5675,4531 5703.57,4559.57 5703.57,4562 5703.57,4578 5744.24,4578 5744.24,4594 5703.57,4594 5666.76,4594 5666.76,4610 5703.57,4610 5712.24,4610 5712.24,4626 5703.57,4626 5697.63,4626 5697.63,4642 5703.57,4642 5708.47,4642 5708.47,4658 5703.57,4658 5703.57,4666 U1.58
PD12: U1.59 U4.2 | length 1096.3
  Top Layer w6: U1.59 5723.25,4658.75 5728.91,4653.09 5740.22,4641.78 5724.76,4626.31 5736.08,4615 5751.54,4630.46 5766.56,4645.48 5777.87,4634.17 5762.85,4619.15 5749.98,4606.27 5761.29,4594.96 5774.17,4607.83 5795.16,4628.83 5806.47,4617.52 5785.48,4596.52 5764.14,4575.18 5775.45,4563.87 5796.79,4585.21 5817.79,4606.2 5829.1,4594.89 5808.11,4573.89 5766.2,4531.99 5777.51,4520.67 5819.42,4562.58 5830,4552 5830,4544 5830,4528 5802.54,4528 5802.54,4512 5830,4512 5849.27,4512 5849.27,4496 5830,4496 5804.41,4496 5804.41,4480 5830,4480 5849.27,4480 5849.27,4464 5830,4464 5804.41,4464 5804.41,4448 5830,4448 5849.27,4448 5849.27,4432 5830,4432 5830,4406 5815,4391 U4.2
PD13: U1.60 U4.7 | length 1096.3
  Top Layer w6: U4.7 5502,4391 5517,4376 5517,4333 5541,4309 5549,4309 5565,4309 5565,4296.69 5581,4296.69 5581,4309 5581,4316.7 5597,4316.7 5597,4309 5597,4296.69 5613,4296.69 5613,4309 5613,4316.7 5629,4316.7 5629,4309 5629,4296.69 5645,4296.69 5645,4309 5645,4316.7 5661,4316.7 5661,4309 5661,4296.69 5677,4296.69 5677,4309 5690,4309 5695.66,4314.66 5706.97,4325.97 5737.34,4295.61 5748.65,4306.92 5718.28,4337.28 5740,4359 5745,4364 5822,4364 5862,4404 5862,4580 5784,4658 5753,4658 5742.94,4668.06 U1.60
PE0: U1.97
PE1: U1.98
PE2: U1.1 U4.3 | length 1068.3
  Top Layer w6: v1(5753,4557) 5718,4522 5718,4460 5737,4441 U4.3 ; v1(5810,4850) 5810,5072 5926,5188 5985,5188 6038.21,5241.21 U1.1
  Bottom Layer w6: v1(5753,4557) 5810,4614 v1(5810,4850)
PE4: U1.3
PE5: U1.4
PE6: U1.5
PH0: C1.2 U1.12 Y1.1 | length 260.2
  Top Layer w6: U1.12 5821.68,5426.8 Y1.1 5846.59,5493.09 C1.2
PH1: C2.1 U1.13 Y1.3 | length 177.4
  Top Layer w6: C2.1 5764.92,5409.41 Y1.3 5801.99,5372.33 U1.13
RESET: C5.2 R2.2 RST.1 U1.14 | length 835
  Top Layer w6: RST.1 5642.79,5868.21 5666.59,5844.41 R2.2 C5.2 5725.41,5530.41 5685,5490 5685,5376 5701,5360 5768,5360 5782.31,5345.69 U1.14
T_VBAT: C108.1 CHG.5 SW1.1 VBAT.1 | length 255.6
  Top Layer w20: C108.1 VBAT.1 ; CHG.5 4518.35,5648.35 4534,5664 VBAT.1 ; SW1.1 4534.58,5727.58 VBAT.1
USB_D+: R13.1 USB.6 USB.8 | length 179.2
  Top Layer w10: USB.6 6072.16,4302.56 R13.1 6111.53,4302.88 USB.8
USB_D-: R12.1 USB.5 USB.7 | length 211.9
  Top Layer w10: R12.1 6052.47,4301.93 USB.5 6052.47,4203.53 6062,4194 6082,4194 6091.84,4203.84 USB.7
VBAT: C28.2 C29.2 LCD.16 R23.2 SW1.2 U18.2 | length 1963.7
  Top Layer w10: C28.2 4730,5897 4748,5915 R23.2
  Top Layer w15: C29.2 4672.8,5827.8 U18.2
  Top Layer w20: SW1.2 4416.47,5854.47 4477,5915 4520,5915 4561,5874 v1(4626.59,5874) C29.2
  Bottom Layer w20: v1(4626.59,5874) 5006,5874 5070,5810 5070,5273 5132,5211 5132,5099 5144.89,5086.11 LCD.16
VCAP_1: C6.2 U1.73 | length 94.2
  Top Layer w6: C6.2 U1.73
VCAP_2: C7.2 U1.48 | length 126.1
  Top Layer w10: C7.2 5425,4767 5461.15,4803.15 U1.48
VCC3.3: C13.2 C14.2 C15.2 C16.2 C17.2 C30.2 C31.2 C36.1 C38.1 C39.1 C93.2 C94.2 C100.2 D1.1 DBG.1 KEY0.1 L1.1 LCD2.3 LCD2.9 LCD2.10 LCD2.15 LCD.6 LCD.32 LCD.33 R2.1 R3.1 R15.1 R16.1 R17.1 R18.1 R19.1 R25.1 R39.2 sd.4 U1.11 U1.27 U1.50 U1.75 U1.100 U3.8 U4.8 U16.1 U16.4 U18.5 | length 10882.9
  Top Layer w10: L1.1 L1.1@4910,5684.72 ; v1(5337.58,5472) C100.2 ; C14.2 5434.05,5216.54 U1.27 5696,5216.54 ; v1(5507,5806) 5558,5755 R2.1 ; v1(5557,4625) C15.2 5505.73,4625.14 U1.50 5619.78,4763.78 5696,4840 5696,5216.54 ; U1.11 5841.36,5259.36 ; v1(5882,5236) 5864.73,5236 5841.36,5259.36 ; C16.2 6038.21,4629.38 U1.75 6114.74,4703.74 6241,4830 6241,5150 6254.59,5163.59 C17.2 ; U1.100 v1(6150.78,5236.22) ; 5696,5216.54 5726.46,5247 5829,5247 5841.36,5259.36
  Top Layer w15: R39.2 3720,5465.41 U16.1 3815.11,5505.72 C94.2 C39.1 ; U16.4 3815.69,5620.28 C39.1 ; KEY0.1 4070,5856 4016,5802 4016,5722 3976,5682 3912,5682 3899.35,5694.65 U3.8 3863,5675 3816.41,5628.41 C39.1 ; LCD2.3 4312.26,4286.74 4288,4311 4288,4523 ; LCD2.9 4288.04,4522.96 4288,4523 ; LCD2.15 4306.18,4759.18 4288,4741 4288,4563 ; C30.2 C30.2@4970,5649.41 ; v1(4970,5673) C30.2@4970,5649.41 ; R25.1 5021.59,5788.59 5009.61,5776.61 U18.5 4900.28,5766.89 L1.1 4927,5675 4952.59,5649.41 C30.2@4970,5649.41 ; C31.2 C30.2@4970,5649.41 ; v1(5141.81,4456.19) 5035.67,4562.33 LCD2.10 4288.67,4562.33 4288,4563 ; C13.2 5251.41,5863 R3.1 ; U4.8 5461.41,4340.41 v1(5407,4340.41) 5407,4195 5520,4082 5673,4082 5710,4119 DBG.1 ; R19.1 R18.1 C36.1 v1(6096,5915.59) R17.1 R16.1 R15.1 ; sd.4 v1(6079.08,5812.92) ; C17.2 D1.1@6275,5230 ; 4288,4523 4288,4563
  Top Layer w20: R25.1 5160,5815 5169,5806 R3.1 5251.41,5506.59 5285.59,5472.41 C100.2 ; v1(5137,5273) 5232,5178 5403,5178 5433.59,5208.59 C14.2
  Bottom Layer w10: v1(5201,5806) v1(5507,5806) 5951,5806 5957.92,5812.92 v1(6079.08,5812.92) ; LCD.33 5315.18,4416.82 5339.49,4392.51 5339.49,4359.51 5358.59,4340.41 v1(5407,4340.41) 5484.41,4340.41 5557,4413 v1(5557,4625) ; LCD.6 5305.19,5479.81 5313,5472 v1(5337.58,5472) ; v1(5882,5236) 5903.63,5236 5924.63,5215 6129.56,5215 v1(6150.78,5236.22) v1(6268.78,5236.22)
  Bottom Layer w15: KEY0.1 4340,5856 4354,5842 4939,5842 4970,5811 v1(4970,5673) ; v1(5141.81,4456.19) LCD.32 LCD.33 ; v1(6079.08,5812.92) 6096,5829.84 v1(6096,5915.59)
  Bottom Layer w20: v1(5137,5273) 5105,5305 5105,5463 5121.81,5479.81 LCD.6
VCC5V: R50.2 USB.2 USB.11 | length 3688.1
  Top Layer w20: R50.2 v1(4225.41,5632.59) ; v1(5847,4130) 6013,4130 6048,4165 ; USB.2 5987.51,4225.49 6048,4165 ; USB.11 6176.49,4225.49 6116,4165 6048,4165
  Bottom Layer w20: v1(4225.41,5632.59) 5017.41,5632.59 5030,5620 5030,4179 5126,4083 5671,4083 5718,4130 v1(5847,4130)
VDDA: C11.2 C12.2 R3.2 R4.2 U1.21 | length 864.5
  Top Layer w6: R4.2 5364.41,5805.79 5644.51,5525.69 U1.21
  Top Layer w10: R3.2 R4.2 5360,5810.42 C12.2 C11.2 5302.59,5863.5 R3.2
VREF+: C9.1 C10.1 R4.1 U1.20 | length 764.1
  Top Layer w6: R4.1 5415.5,5806.1 C9.1 C10.1 5471,5719 5664.2,5525.8 U1.20
VUSB: SW1.3
pads on no net: "SW1. " DBG.0 KEY0.0 LCD2.14 LCD2.16 LCD.11 LCD.12 LCD.13 LCD.14 LCD.15 LCD.21 sd.9 sd.10 SW1.4 SW1.5 SW1.6 SW1.7 U4.9 U18.1 USB.

## Polygon pours and split planes (outlines as drawn)
GND on Bottom Layer "AutoNaming" (solid, remove dead copper, pour order 0): 3601,5952 3601,5912 3601,3984 3611,3984 6325,3984 6325,4002 6325,5952

## Other copper
Top Layer:
  rectangle net PA1: 3620,5026 4083,5416
Bottom Layer:
  pour cut-out: 3604,5437 4100,5437 4100,5008 3604,5008

## Silkscreen, mask and mechanical layers (free items; w line width, h text height)
Top Overlay:
  text "MCU" at 5614,4926 h300
  text "STM32H750" at 4993,4366 h300 r90
  text "USB" at 6294,4306 h300 r90
  text "Mymymind" at 3811,4072 h300 r90
  text "Mymymind" at 3811,4072 h300 r90
  text "DBG" at 5074,4021 h300
  text "20.06.25" at 4029,4011 h300 r90
  text "TFT" at 4257,4004 h300 r90
Top Solder:
  drawing of 743 lines, arcs and shapes, not listed
  text "Home" at 4061,5046 h150 r90
Mechanical 1:
  lines w10: 3600,3984 6324,3984 6324,5952 3600,5952 3600,3984

## Dimensions
3600,3984 to 3600,5952 on Top Overlay
3600,5952 to 6324,5952 on Top Overlay